# Altium PCB EASY-EAI-Nano-TB V1.01.PCBDOC (part 1 of 7) (continued)
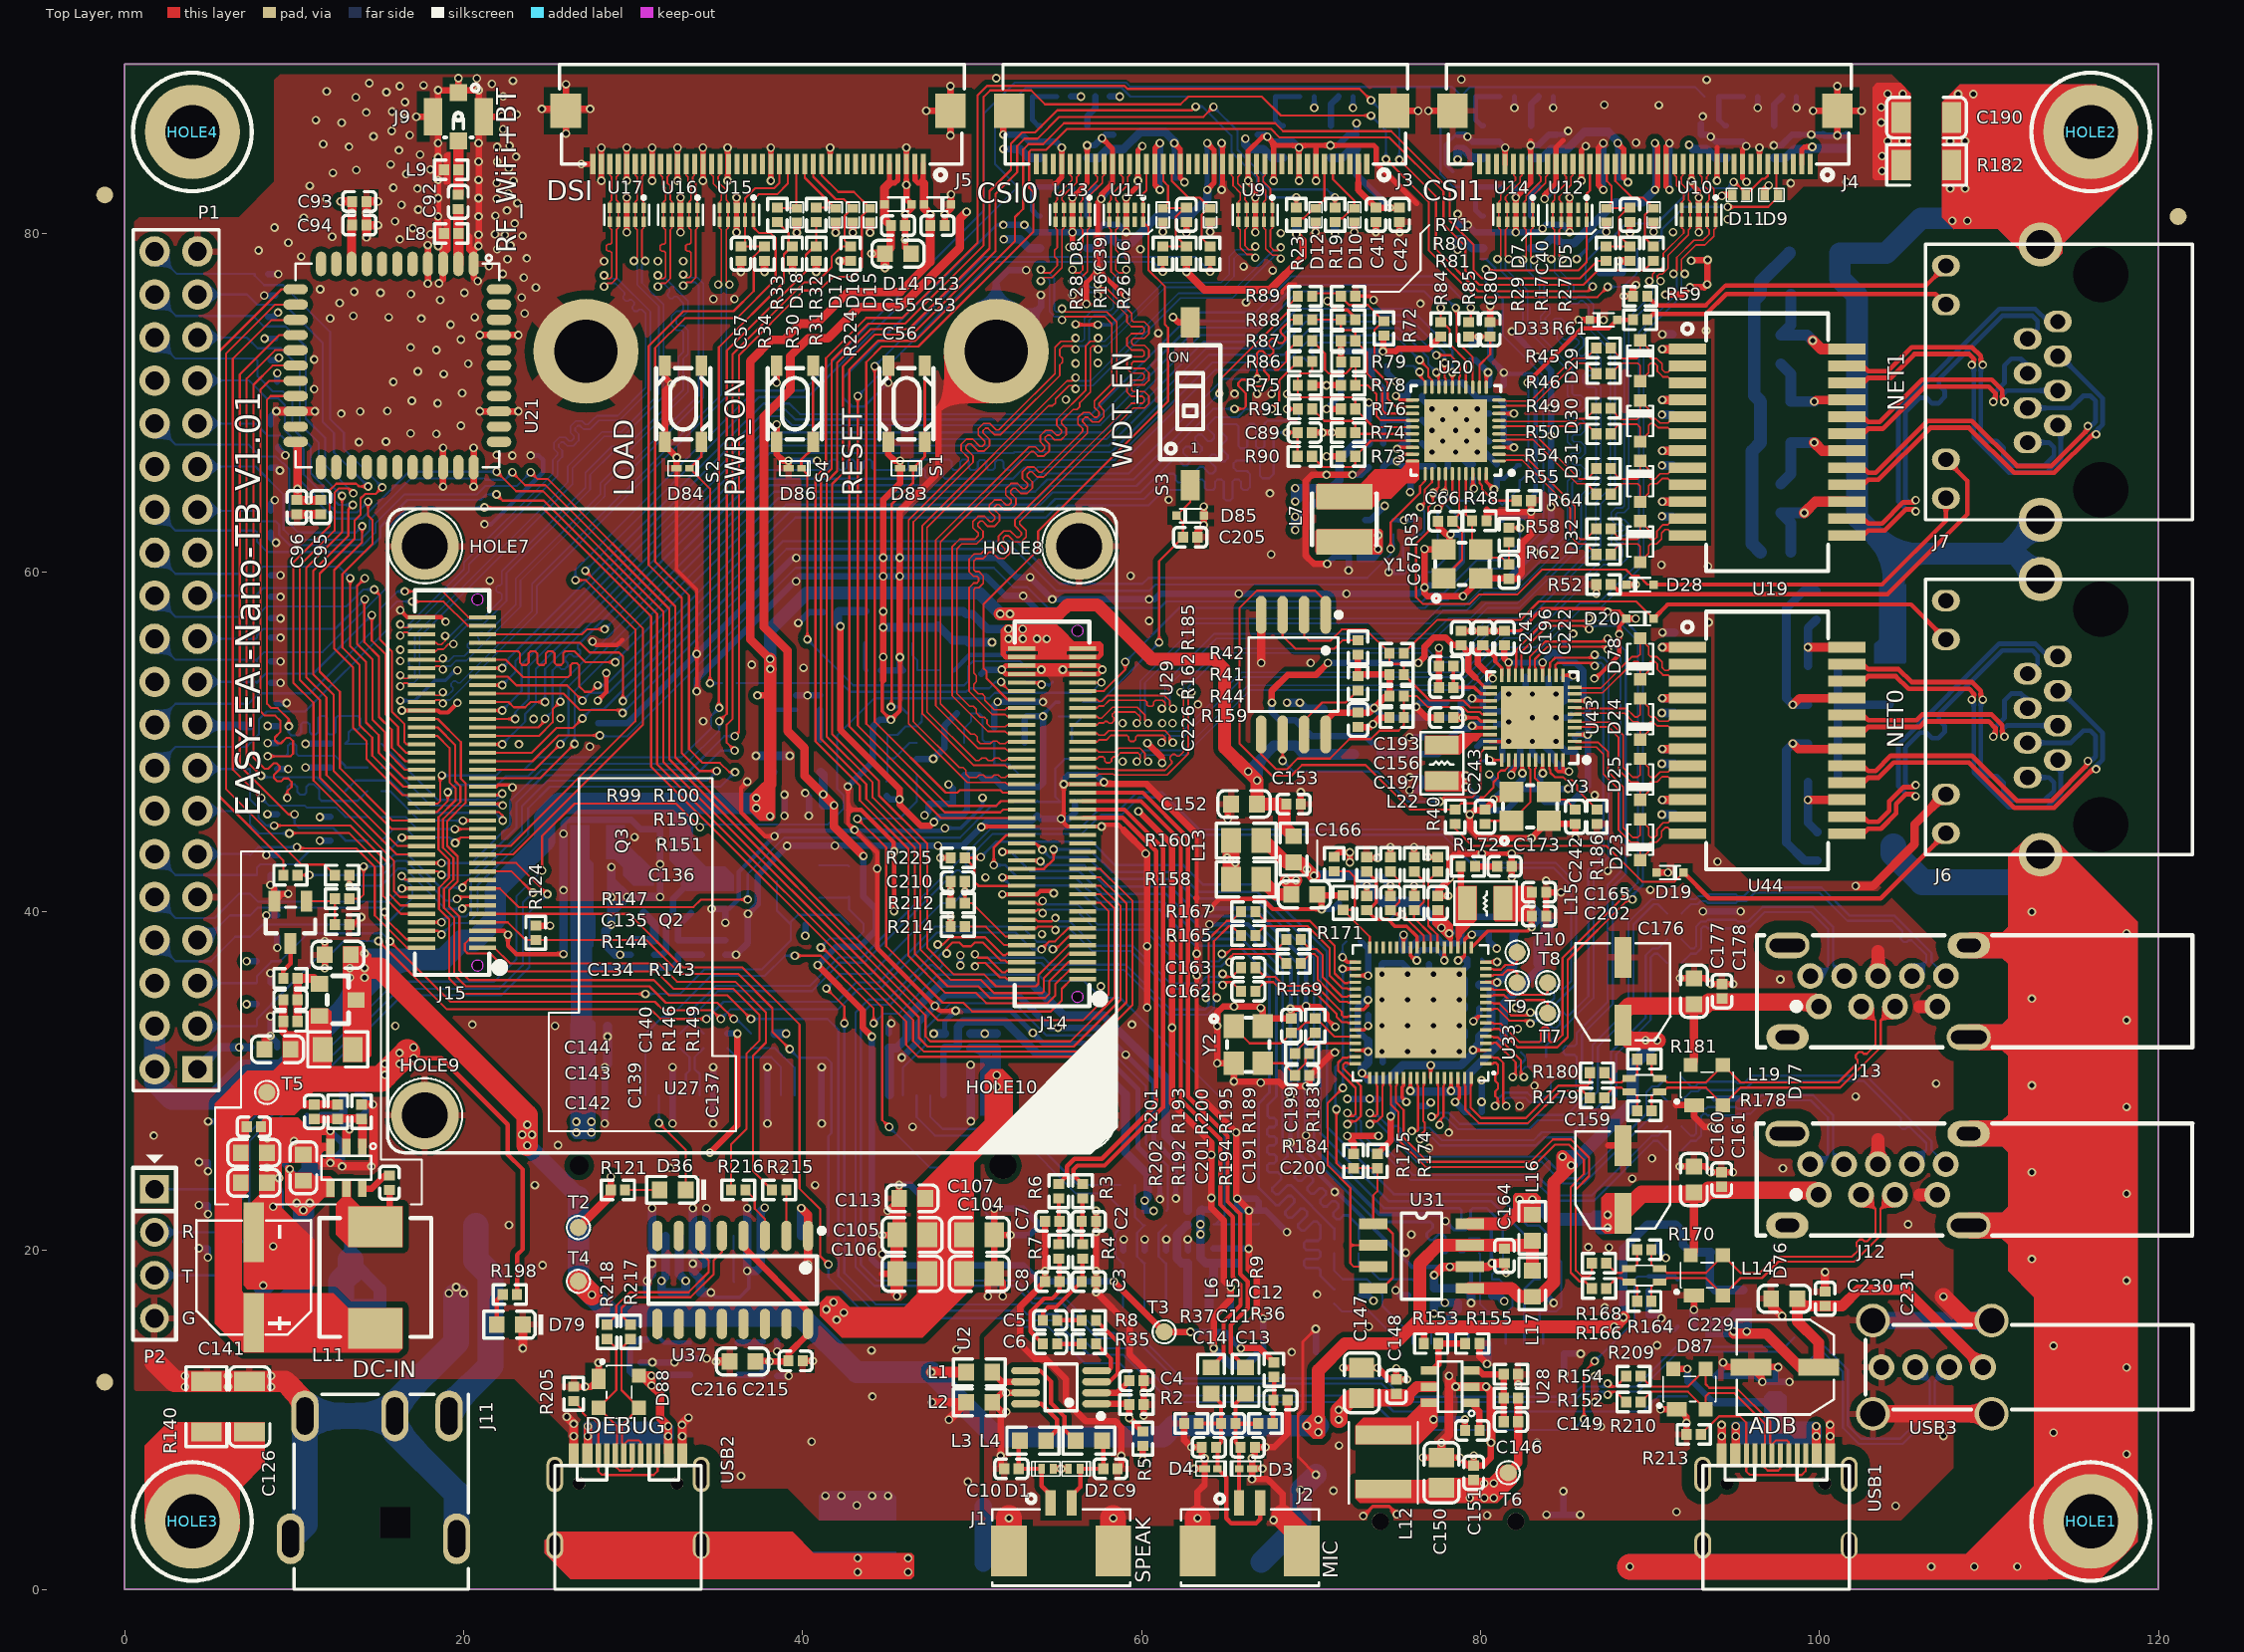
[diagram p0: Top Layer view]
## Classes and differential pairs (continued)
differential pair PHY1_MDI0/: +PHY1_MDI0/+ -PHY1_MDI0/-
differential pair PHY1_MDI3: +PHY1_MDI3+ -PHY1_MDI3-
differential pair PHY1_MDI2: +PHY1_MDI2+ -PHY1_MDI2-
differential pair PHY1_MDI1: +PHY1_MDI1+ -PHY1_MDI1-
differential pair PHY1_MDI0: +PHY1_MDI0+ -PHY1_MDI0-
differential pair PHY1_MD3: +PHY1_MD3+ -PHY1_MD3-
differential pair PHY1_MD2: +PHY1_MD2+ -PHY1_MD2-
differential pair PHY1_MD1: +PHY1_MD1+ -PHY1_MD1-
differential pair PHY1_MD0: +PHY1_MD0+ -PHY1_MD0-
differential pair TX: +TX_P -TX_N
differential pair RX: +RX_P -RX_N
differential pair MIPI_DSI_TX0_D3: +MIPI_DSI_TX0_D3_P -MIPI_DSI_TX0_D3_N
differential pair MIPI_DSI_TX0_D2: +MIPI_DSI_TX0_D2_P -MIPI_DSI_TX0_D2_N
differential pair MIPI_DSI_TX0_D1: +MIPI_DSI_TX0_D1_P -MIPI_DSI_TX0_D1_N
differential pair MIPI_DSI_TX0_D0: +MIPI_DSI_TX0_D0_P -MIPI_DSI_TX0_D0_N
differential pair MIPI_DSI_TX0_CLK: +MIPI_DSI_TX0_CLK_P -MIPI_DSI_TX0_CLK_N
differential pair CH340: +CH340_P -CH340_N
differential pair HUB_D1: +HUB_D1_P -HUB_D1_N
differential pair HUB_D2: +HUB_D2_P -HUB_D2_N
differential pair HUB_D3: +HUB_D3_P -HUB_D3_N
differential pair HUB_D4: +HUB_D4_P -HUB_D4_N
differential pair MIC0: +MIC0_P -MIC0_N
differential pair MIPI_CSI0_RX_CLK: +MIPI_CSI0_RX_CLK_P -MIPI_CSI0_RX_CLK_N
differential pair MIPI_CSI0_RX_D0: +MIPI_CSI0_RX_D0_P -MIPI_CSI0_RX_D0_N
differential pair MIPI_CSI0_RX_D1: +MIPI_CSI0_RX_D1_P -MIPI_CSI0_RX_D1_N
differential pair MIPI_CSI0_RX_D2: +MIPI_CSI0_RX_D2_P -MIPI_CSI0_RX_D2_N
differential pair MIPI_CSI0_RX_D3: +MIPI_CSI0_RX_D3_P -MIPI_CSI0_RX_D3_N
differential pair MIPI_CSI1_RX_CLK: +MIPI_CSI1_RX_CLK_P -MIPI_CSI1_RX_CLK_N
differential pair MIPI_CSI1_RX_D0: +MIPI_CSI1_RX_D0_P -MIPI_CSI1_RX_D0_N
differential pair MIPI_CSI1_RX_D1: +MIPI_CSI1_RX_D1_P -MIPI_CSI1_RX_D1_N
differential pair MIPI_CSI1_RX_D2: +MIPI_CSI1_RX_D2_P -MIPI_CSI1_RX_D2_N
differential pair MIPI_CSI1_RX_D3: +MIPI_CSI1_RX_D3_P -MIPI_CSI1_RX_D3_N
differential pair OTG_D: +OTG_D_P -OTG_D_N
differential pair RX_D1: +RX_D1_P -RX_D1_N
differential pair RX_D2: +RX_D2_P -RX_D2_N
differential pair RX_D3: +RX_D3_P -RX_D3_N
differential pair RX_D4: +RX_D4_P -RX_D4_N
differential pair TX_D1: +TX_D1_P -TX_D1_N
differential pair TX_D2: +TX_D2_P -TX_D2_N
differential pair TX_D3: +TX_D3_P -TX_D3_N
differential pair TX_D4: +TX_D4_P -TX_D4_N
differential pair USB0: +USB0_P -USB0_N
differential pair USB2_HOST1: +USB2_HOST1_P -USB2_HOST1_N
differential pair USB3_HOST1_SSRX: +USB3_HOST1_SSRX_P -USB3_HOST1_SSRX_N
differential pair USB3_HOST1_SSTX: +USB3_HOST1_SSTX_P -USB3_HOST1_SSTX_N
differential pair USB4/: +USB4/_P -USB4/_N
differential pair USB_1: +USB_1_P -USB_1_N
differential pair USB_2: +USB_2_P -USB_2_N
differential pair USB_OTG: +USB_OTG_P -USB_OTG_N
differential pair USB_RX1: +USB_RX1_P -USB_RX1_N
differential pair USB_RX2: +USB_RX2_P -USB_RX2_N
differential pair USB_TTL: +USB_TTL_P -USB_TTL_N
differential pair USB_TX1: +USB_TX1_P -USB_TX1_N
differential pair USB_TX2: +USB_TX2_P -USB_TX2_N
differential pair MDI0/: +MDI0/_P -MDI0/_N
differential pair MDI0: +MDI0_P -MDI0_N
differential pair MDI1/: +MDI1/_P -MDI1/_N
differential pair MDI1: +MDI1_P -MDI1_N
differential pair MDI2/: +MDI2/_P -MDI2/_N
differential pair MDI2: +MDI2_P -MDI2_N
differential pair MDI3/: +MDI3/_P -MDI3/_N
differential pair MDI3: +MDI3_P -MDI3_N
differential pair SSRX: +SSRX_P -SSRX_N

## Components (designator, comment, footprint, x,y, rotation, side; value= is the part's Value field where it differs from the comment)
C1 "CC1206KKX7RDBB102" 1206_C 44.631,3.157 r90 bottom
C2 "0402B222K500NT" 0402_C 56.896,21.717 r0 top
C3 "0402B222K500NT" 0402_C 56.896,18.161 r0 top
C4 "CL05A105KA5NQNC" 0402_C 59.7,12.301 r180 top
C5 "CL05B104KO5NNNC" 0402_C 54.61,15.875 r0 top
C6 "CL05B104KO5NNNC" 0402_C 54.61,14.478 r0 top
C7 "0402B222K500NT" 0402_C 54.737,21.717 r0 top
C8 "0402B222K500NT" 0402_C 54.737,18.161 r0 top
C9 "CL05C681JB5NNNC" 0402_C 58.166,7.112 r180 top
C10 "CL05C681JB5NNNC" 0402_C 52.324,7.112 r0 top
C11 "CC0402KRX7R9BB101" 0402_C 65.123,9.784 r180 top
C12 "CL05A106MQ5NUNC" 0402_C 68.199,11.176 r180 top
C13 "GCM1555G1H221JA16D" 0402_C 66.266,8.387 r180 top
C14 "GCM1555G1H221JA16D" 0402_C 63.98,8.387 r0 top
C15 "CL05A105KA5NQNC" 0402_C 66.843,85.421 r270 bottom
C16 "CL05A475MP5NRNC" 0402_C 72.685,85.421 r270 bottom
C17 "CL05A105KA5NQNC" 0402_C 93.005,85.421 r270 bottom
C18 "CL05A475MP5NRNC" 0402_C 98.847,85.421 r270 bottom
C19 "CL05B104KO5NNNC" 0402_C 72.05,88.088 r180 bottom
C20 "CL05B104KO5NNNC" 0402_C 98.212,88.088 r180 bottom
C21 "CL05B104KO5NNNC" 0402_C 69.764,88.088 r180 bottom
C22 "CL05B104KO5NNNC" 0402_C 95.926,88.088 r180 bottom
C23 "CL05A105KA5NQNC" 0402_C 52.492,80.087 r270 bottom
C24 "CL05A475MP5NRNC" 0402_C 58.334,80.087 r270 bottom
C25 "CL05A105KA5NQNC" 0402_C 78.654,80.087 r270 bottom
C26 "CL05A475MP5NRNC" 0402_C 84.496,80.087 r270 bottom
C27 "CL05B104KO5NNNC" 0402_C 57.699,82.754 r180 bottom
C28 "CL05B104KO5NNNC" 0402_C 83.861,82.754 r180 bottom
C29 "CL05B104KO5NNNC" 0402_C 55.413,82.754 r180 bottom
C30 "CL05B104KO5NNNC" 0402_C 81.575,82.754 r180 bottom
C31 "CL05A105KA5NQNC" 0402_C 52.492,85.421 r270 bottom
C32 "CL05A475MP5NRNC" 0402_C 58.334,85.421 r270 bottom
C33 "CL05A105KA5NQNC" 0402_C 78.654,85.421 r270 bottom
C34 "CL05A475MP5NRNC" 0402_C 84.496,85.421 r270 bottom
C35 "CL05B104KO5NNNC" 0402_C 57.699,88.088 r180 bottom
C36 "CL05B104KO5NNNC" 0402_C 83.861,88.088 r180 bottom
C37 "CL05B104KO5NNNC" 0402_C 55.413,88.088 r180 bottom
C38 "CL05B104KO5NNNC" 0402_C 81.575,88.088 r180 bottom
C39 "CL05B104KO5NNNC" 0402_C 62.652,81.103 r90 top
C40 "CL05B104KO5NNNC" 0402_C 88.814,81.103 r90 top
C41 "CL05A106MQ5NUNC" 0402_C 73.828,81.103 r90 top
C42 "CL05B104KO5NNNC" 0402_C 75.225,81.103 r90 top
C43 "CL05A106MQ5NUNC" 0402_C 101.61,85.453 r270 bottom
C44 "CL05B104KO5NNNC" 0402_C 100.213,85.453 r270 bottom
C45 "CL05A106MQ5NUNC" 0402_C 64.303,83.262 r180 bottom
C46 "CL05B104KO5NNNC" 0402_C 64.303,84.659 r180 bottom
C47 "CL05A106MQ5NUNC" 0402_C 90.719,83.262 r180 bottom
C48 "CL05B104KO5NNNC" 0402_C 90.719,84.659 r180 bottom
C49 "CL05A106MQ5NUNC" 0402_C 61.509,83.262 r0 bottom
C50 "CL05B104KO5NNNC" 0402_C 61.509,84.659 r0 bottom
C51 "CL05A106MQ5NUNC" 0402_C 87.671,83.262 r0 bottom
C52 "CL05B104KO5NNNC" 0402_C 87.671,84.659 r0 bottom
C53 "CL05B104KO5NNNC" 0402_C 47.965,80.468 r180 top
C54 "CL10A106KP8NNNC" 0603_C 46.746,80.373 r0 bottom
C55 "CL05B104KO5NNNC" 0402_C 45.634,80.468 r180 top
C56 "CL10A106KP8NNNC" 0603_C 45.634,78.817 r180 top
C57 "CL05B104KO5NNNC" 0402_C 36.363,78.817 r90 top
C58 "CL10A106KP8NNNC" 0603_C 49.657,56.769 r90 bottom
C59 "CL05B104KO5NNNC" 0402_C 41.656,57.658 r0 bottom
C60 "CL05B104KO5NNNC" 0402_C 48.006,57.277 r90 bottom
C61 "CL05B104KO5NNNC" 0402_C 46.355,54.229 r0 bottom
C62 "CL05B104KO5NNNC" 0402_C 44.196,54.229 r180 bottom
C63 "CL05B104KO5NNNC" 0402_C 84.455,30.226 r45 bottom
C64 "CL05B104KO5NNNC" 0402_C 85.344,29.337 r45 bottom
C65 "CL05B104KO5NNNC" 0402_C 91.323,73.634 r270 bottom
C66 "0402CG200J500NT" 0402_C 77.921,63.031 r0 top
C67 "0402CG200J500NT" 0402_C 81.671,60.053 r90 top
C68 "CL05B104KO5NNNC" 0402_C 91.323,69.736 r90 bottom
C69 "CL05B104KO5NNNC" 0402_C 91.323,66.736 r90 bottom
C70 "NC/3.0pF 50V" 0402_C 76.708,60.452 r270 bottom
C71 "CL05B104KO5NNNC" 0402_C 91.323,63.736 r90 bottom
C72 "CC1206KKX7RDBB102" 1206_C 99.705,78.849 r0 bottom
C73 "CL05A475MP5NRNC" 0402_C 73.841,69.016 r0 bottom
C74 "CL05A105KA5NQNC" 0402_C 76.127,69.016 r180 bottom
C75 "CL05B104KO5NNNC" 0402_C 76.127,67.619 r180 bottom
C76 "NC/3.0pF 50V" 0402_C 74.933,72.191 r180 bottom
C77 "CL05A475MP5NRNC" 0402_C 73.841,66.222 r0 bottom
C78 "CL05B104KO5NNNC" 0402_C 80.953,65.968 r270 bottom
C79 "CL05B104KO5NNNC" 0402_C 80.953,71.048 r180 bottom
C80 "CL05B104KO5NNNC" 0402_C 80.572,74.35 r270 top
C81 "CL05A475MP5NRNC" 0402_C 72.644,60.96 r0 bottom
C82 "CL05B104KO5NNNC" 0402_C 73.206,62.666 r270 bottom
C83 "CL05B104KO5NNNC" 0402_C 76.127,70.413 r180 bottom
C84 "CL05A475MP5NRNC" 0402_C 77.651,66.273 r180 bottom
C85 "CL05B104KO5NNNC" 0402_C 75.873,65.841 r90 bottom
C86 "CL05B104KO5NNNC" 0402_C 80.953,69.397 r0 bottom
C87 "CL05B104KO5NNNC" 0402_C 80.953,67.746 r0 bottom
C88 "CL05B104KO5NNNC" 0402_C 79.556,65.968 r270 bottom
C89 "NC/3.0pF 50V" 0402_C 69.629,68.263 r180 top
C90 "CL05A106MQ5NUNC" 0402_C 78.655,17.338 r270 bottom
C91 "CL05B104KO5NNNC" 0402_C 77.258,17.338 r270 bottom
C92 "GCM1555G1H221JA16D" 0402_C 19.695,81.872 r90 top
C93 "CL05A106MQ5NUNC" 0402_C 13.853,81.897 r180 top
C94 "CL05B104KO5NNNC" 0402_C 13.853,80.5 r180 top
C95 "CL05A475MP5NRNC" 0402_C 11.567,63.861 r90 top
C96 "CL05B104KO5NNNC" 0402_C 10.17,63.861 r90 top
C97 "CL05B104KO5NNNC" 0402_C 45.095,32.367 r270 bottom
C98 "CL05B104KO5NNNC" 0402_C 48.397,32.367 r270 bottom
C99 "CL05A106MQ5NUNC" 0402_C 65.651,19.675 r270 bottom
C100 "CL05B104KO5NNNC" 0402_C 64.254,19.675 r270 bottom
C101 "CL10A106KP8NNNC" 0603_C 35.449,40.917 r90 bottom
C102 "CL05A105KA5NQNC" 0402_C 32.02,44.854 r0 bottom
C103 "CL05B104KO5NNNC" 0402_C 32.02,43.457 r0 bottom
C104 "C2012X5R1A476MTJ00E" 0805_C 50.428,18.624 r180 top
C105 "C2012X5R1A476MTJ00E" 0805_C 46.466,20.91 r0 top
C106 "C2012X5R1A476MTJ00E" 0805_C 46.466,18.624 r0 top
C107 "C2012X5R1A476MTJ00E" 0805_C 50.428,20.91 r180 top
C108 "CL10A226MP8NUNE" 0603_C 27.956,40.028 r180 bottom
C109 "CL10A226MP8NUNE" 0603_C 27.956,41.806 r180 bottom
C110 "CL05B104KO5NNNC" 0402_C 27.956,38.504 r180 bottom
C111 "NC/0402CG470J500NT" 0402_C 32.655,37.869 r270 bottom
C112 "CL05B104KO5NNNC" 0402_C 29.861,37.869 r90 bottom
C113 "CL10A226MP8NUNE" 0603_C 46.466,23.069 r0 top
C114 "CL05A106MQ5NUNC" 0402_C 51.445,32.367 r270 bottom
C115 "CL05A106MQ5NUNC" 0402_C 28.077,31.884 r180 bottom
C116 "CL05B104KO5NNNC" 0402_C 28.077,33.256 r180 bottom
C117 "CL05B104KO5NNNC" 0402_C 49.921,32.367 r270 bottom
C118 "CL05B104KO5NNNC" 0402_C 31.254,17.508 r0 bottom
C119 "CL05B104KO5NNNC" 0402_C 33.54,17.508 r180 bottom
C120 "CL05B103KB5NNNC" 0402_C 47,46.337 r180 bottom
C121 "GRM155R71H104KE14D" 0402_C 49.286,46.337 r180 bottom
C122 "CL05B103KB5NNNC" 0402_C 49.53,51.689 r0 bottom
C123 "GRM155R71H104KE14D" 0402_C 44.577,50.419 r180 bottom
C124 "GRM155R71H104KE14D" 0402_C 53.212,51.938 r270 bottom
C125 "CL05B103KB5NNNC" 0402_C 55.636,46.464 r180 bottom
C126 "CC1206KKX7RDBB102" 1206_C 7.376,10.777 r270 top
C127 "CC0603KRX7R9BB104" 0603_C 9.662,23.477 r0 bottom
C128 "GRM21BR61E226ME44L" 0805_C 9.662,19.032 r0 bottom
C129 "GRM21BR61E226ME44L" 0805_C 9.662,21.445 r0 bottom
C130 "CL05B103KB5NNNC" 0402_C 9.408,26.017 r270 bottom
C131 "CL05B104KO5NNNC" 0402_C 38.51,46.266 r180 bottom
C132 "CL05A475MP5NRNC" 0402_C 40.796,46.266 r0 bottom
C133 "NC/CL05B103KB5NNNC" 0402_C 41.021,52.324 r270 bottom
C134 "CL10A106KP8NNNC" 0603_C 9.027,31.859 r0 top
C135 "CL05B104KO5NNNC" 0402_C 9.789,34.78 r180 top
C136 "CL10A226MP8NUNE" 0603_C 12.583,37.447 r0 top
C137 "CL05B104KO5NNNC" 0402_C 15.631,23.985 r270 top
C138 "GRM21BR61E106KA73L" 0805_C 11.948,26.017 r180 bottom
C139 "CC0603KRX7R9BB104" 0603_C 10.551,24.874 r270 top
C140 "CC0402KRX7R9BB101" 0402_C 11.186,28.176 r90 top
C141 "RVT1E101M0607" SMD,D6.3xL7.7mm 7.63,18.397 r90 top
C142 "CL10A226MP8NUNE" 0603_C 7.63,23.985 r180 top
C143 "CL10A226MP8NUNE" 0603_C 7.63,25.763 r180 top
C144 "CL05B104KO5NNNC" 0402_C 7.63,27.287 r180 top
C145 "CL05B104KO5NNNC" 0402_C 13.345,27.922 r180 bottom
C146 "CL05B104KO5NNNC" 0402_C 79.512,9.38 r180 top
C147 "GRM21BR61E106KA73L" 0805_C 72.993,12.18 r270 top
C148 "CL05B104KO5NNNC" 0402_C 75.03,11.959 r270 top
C149 "CC0402KRX7R9BB101" 0402_C 81.798,9.888 r0 top
C150 "GRM21BR61E226ME44L" 0805_C 77.697,6.879 r270 top
C151 "CL05B104KO5NNNC" 0402_C 79.602,6.879 r270 top
C152 "CL10A226MP8NUNE" 0603_C 66.05,46.337 r0 top
C153 "CL05B104KO5NNNC" 0402_C 68.971,46.337 r0 top
C154 "CL10A106KP8NNNC" 0603_C 71.638,41.257 r90 bottom
C155 "CL05B104KO5NNNC" 0402_C 73.645,42.146 r0 bottom
C156 "CL05A105KA5NQNC" 0402_C 77.978,53.213 r0 top
C157 "CL05B104KO5NNNC" 0402_C 91.44,27.305 r0 bottom
C158 "CL05B104KO5NNNC" 0402_C 91.44,25.908 r0 bottom
C159 "RVT1A101M0505" SMD,D5xL5.4mm 88.393,22.183 r90 top locked
C160 "CL10A106KP8NNNC" 0603_C 92.584,24.183 r270 top
C161 "CL05B104KO5NNNC" 0402_C 94.235,24.183 r270 top
C162 "CL05B104KO5NNNC" 0402_C 66.304,35.288 r180 top
C163 "CL05B104KO5NNNC" 0402_C 66.304,36.685 r180 top
C164 "CL05B104KO5NNNC" 0402_C 81.417,19.667 r90 top
C165 "CL05A106MQ5NUNC" 0402_C 83.449,41.13 r180 top
C166 "CL10A106KP8NNNC" 0603_C 69.606,41.003 r0 top
C167 "CL05B104KO5NNNC" 0402_C 76.972,37.32 r270 bottom
C168 "CL05B104KO5NNNC" 0402_C 73.797,33.891 r0 bottom
C169 "CL05B104KO5NNNC" 0402_C 79.639,28.176 r0 bottom
C170 "CL05B104KO5NNNC" 0402_C 74.432,28.938 r180 bottom
C171 "CL05B104KO5NNNC" 0402_C 73.797,36.939 r0 bottom
C172 "CL05B104KO5NNNC" 0402_C 79.512,34.272 r180 bottom
C173 "0402B222K500NT" 0402_C 81.417,42.654 r180 top
C174 "CL05B104KO5NNNC" 0402_C 91.44,38.354 r0 bottom
C175 "CL05B104KO5NNNC" 0402_C 91.44,36.957 r0 bottom
C176 "RVT1A101M0505" SMD,D5xL5.4mm 88.402,33.29 r90 top locked
C177 "CL10A106KP8NNNC" 0603_C 92.593,35.29 r270 top
C178 "CL05B104KO5NNNC" 0402_C 94.244,35.29 r270 top
C179 "CL05B104KO5NNNC" 0402_C 79.639,29.446 r0 bottom
C180 "CL05B104KO5NNNC" 0402_C 75.448,37.32 r270 bottom
C181 "CL05B104KO5NNNC" 0402_C 76.464,28.938 r270 bottom
C182 "CL10A106KP8NNNC" 0603_C 83.902,40.308 r90 bottom
C183 "CL10A106KP8NNNC" 0603_C 81.265,38.717 r180 bottom
C184 "CL05B104KO5NNNC" 0402_C 73.797,32.367 r0 bottom
C185 "CL05B104KO5NNNC" 0402_C 73.797,35.415 r0 bottom
C186 "CL05B104KO5NNNC" 0402_C 73.797,31.097 r0 bottom
C187 "CL05B104KO5NNNC" 0402_C 79.512,35.669 r180 bottom
C188 "CL05B104KO5NNNC" 0402_C 79.512,32.621 r180 bottom
C189 "CL05B104KO5NNNC" 0402_C 77.861,31.351 r90 bottom
C190 "CC1206KKX7RDBB102" 1206_C 106.309,86.85 r0 top
C191 "CL05B104KO5NNNC" 0402_C 77.48,40.495 r90 top
C192 "CL10A226MP8NUNE" 0603_C 77.353,40.495 r270 bottom
C193 "CL05B104KO5NNNC" 0402_C 77.978,54.483 r0 top
C194 "CL05B104KO5NNNC" 0402_C 82.677,32.004 r45 bottom
C195 "CL05B104KO5NNNC" 0402_C 83.566,31.115 r45 bottom
C196 "CL05B104KO5NNNC" 0402_C 80.137,56.134 r270 top
C197 "CL05B104KO5NNNC" 0402_C 77.978,51.435 r0 top
C198 "CL05B104KO5NNNC" 0402_C 83.947,48.895 r0 bottom
C199 "0402CG200J500NT" 0402_C 68.844,33.256 r270 top
C200 "0402CG200J500NT" 0402_C 69.479,30.335 r180 top
C201 "CL05A105KA5NQNC" 0402_C 74.686,40.495 r270 top
C202 "CL05B104KO5NNNC" 0402_C 83.449,39.733 r180 top
C203 "0402B102K500NT" 0402_C 44.577,49.022 r0 bottom
C204 "0402B102K500NT" 0402_C 50.546,53.594 r270 bottom
C205 "0402B102K500NT" 0402_C 62.875,62.085 r180 top
C206 "0402B102K500NT" 0402_C 54.747,53.957 r270 bottom
C207 "CL10A226MP8NUNE" 0603_C 95.631,11.811 r270 bottom
C208 "CL10A226MP8NUNE" 0603_C 93.853,11.811 r270 bottom
C209 "CL05B104KO5NNNC" 0402_C 97.409,11.811 r270 bottom
C210 "CL05B104KO5NNNC" 0402_C 49.159,41.765 r0 top
C211 "CL05A106MQ5NUNC" 0402_C 30.458,12.97 r270 bottom
C212 "CL05B104KO5NNNC" 0402_C 31.855,12.97 r270 bottom
C213 "CL05A105KA5NQNC" 0402_C 38.078,12.589 r180 bottom
C214 "NC/CL05B103KB5NNNC" 0402_C 38.078,14.621 r180 bottom
C215 "CL05B104KO5NNNC" 0402_C 39.593,13.475 r180 top
C216 "CL10A106KP8NNNC" 0603_C 36.459,13.444 r0 top
C217 "CL05A105KA5NQNC" 0402_C 80.569,52.578 r180 bottom
C218 "CL05A105KA5NQNC" 0402_C 81.712,48.895 r0 bottom
C219 "CL05A105KA5NQNC" 0402_C 78.41,52.324 r0 bottom
C220 "CL05A105KA5NQNC" 0402_C 84.43,53.797 r0 bottom
C221 "CL05B104KO5NNNC" 0402_C 82.652,54.254 r90 bottom
C222 "CL05B104KO5NNNC" 0402_C 81.407,56.134 r270 top
C223 "CL05B104KO5NNNC" 0402_C 84.658,55.575 r225 bottom
C224 "CL05A105KA5NQNC" 0402_C 83.947,47.244 r180 bottom
C225 "CL10A226MP8NUNE" 0603_C 77.521,47.625 r0 bottom
C226 "CL05B104KO5NNNC" 0402_C 72.771,51.308 r270 top
C227 "CL05B104KO5NNNC" 0402_C 93.599,20.32 r270 bottom
C228 "CL10A226MP8NUNE" 0603_C 91.186,20.32 r180 bottom
C229 "RVT1A101M0505" SMD,D5xL5.4mm 99.949,13.106 r180 top locked
C230 "CL10A226MP8NUNE" 0603_C 97.917,17.145 r0 top
C231 "CL05B104KO5NNNC" 0402_C 100.33,17.145 r270 top
C239 "CL10A226MP8NUNE" 0603_C 77.47,50.292 r0 bottom
C240 "CL05B104KO5NNNC" 0402_C 80.518,51.054 r180 bottom
C241 "CL05B104KO5NNNC" 0402_C 78.867,56.134 r270 top
C242 "0402CG200J500NT" 0402_C 85.598,45.593 r270 top
C243 "0402CG200J500NT" 0402_C 80.264,45.593 r270 top
C244 "CL05B104KO5NNNC" 0402_C 81.788,47.244 r0 bottom
C245 "CL05B104KO5NNNC" 0402_C 85.573,49.86 r90 bottom
C246 "CL05B104KO5NNNC" 0402_C 85.776,51.613 r0 bottom
C258 "CL05B104KO5NNNC" 0402_C 91.45,56.038 r270 bottom
C259 "CL05B104KO5NNNC" 0402_C 91.45,52.14 r90 bottom
C260 "CL05B104KO5NNNC" 0402_C 91.45,49.14 r90 bottom
C261 "CL05B104KO5NNNC" 0402_C 91.45,46.14 r90 bottom
C262 "CC1206KKX7RDBB102" 1206_C 104.14,53.721 r270 bottom
D1 "ESD5341N-2/TR" DFN1006-2L 54.102,7.112 r0 top
D2 "ESD5341N-2/TR" DFN1006-2L 56.388,7.112 r180 top
D3 "ESD5471X-2/TR" FBP-02C 65.758,7.117 r0 top
D4 "ESD5471X-2/TR" FBP-02C 64.488,7.117 r180 top
D5 "PT2C051U" DFN1006 90.211,81.103 r90 top
D6 "PT2C051U" DFN1006 64.049,81.103 r90 top
D7 "PT2C051U" DFN1006 87.417,81.103 r90 top
D8 "PT2C051U" DFN1006 61.255,81.103 r90 top
D9 "PT2C051U" DFN1006 97.165,82.278 r0 top
D10 "PT2C051U" DFN1006 72.558,81.103 r90 top
D11 "PT2C051U" DFN1006 95.26,82.278 r0 top
D12 "PT2C051U" DFN1006 70.272,81.103 r90 top
D13 "PT5C051V" SOD-523 47.965,81.738 r0 top
D14 "PT5C051V" SOD-523 45.634,81.738 r0 top
D15 "PT2C051U" DFN1006 43.983,81.103 r270 top
D16 "PT2C051U" DFN1006 42.967,81.103 r270 top
D17 "PT2C051U" DFN1006 41.951,81.103 r270 top
D18 "PT2C051U" DFN1006 39.665,81.103 r270 top
D19 "BV-D505ZC" SOD-523 91.186,42.291 r0 top
D20 "BV-D505ZC" SOD-523 89.408,57.277 r0 top
D21 "BS4200N-2C" SMB-T_L5.4-W3.3-BI 101.803,58.166 r180 bottom
D22 "BS4200N-2C" SMB-T_L5.4-W3.3-BI 101.854,43.942 r180 bottom
D23 "BV03C-H" SOD-323 89.418,44.235 r270 top
D24 "BV03C-H" SOD-323 89.418,51.347 r270 top
D25 "BV03C-H" SOD-323 89.418,47.791 r270 top
D26 "BS4200N-2C" SMB-T_L5.4-W3.3-BI 99.705,73.261 r180 bottom
D27 "BS4200N-2C" SMB-T_L5.4-W3.3-BI 99.705,64.473 r180 bottom
D28 "BV-D505ZC" SOD-523 89.418,59.291 r180 top
D29 "BV03C-H" SOD-323 89.418,72.499 r90 top
D30 "BV03C-H" SOD-323 89.418,68.943 r90 top
D31 "BV03C-H" SOD-323 89.418,65.387 r90 top
D32 "BV03C-H" SOD-323 89.418,61.831 r90 top
D33 "BV-D505ZC" SOD-523 87.259,74.912 r180 top
D34 "BV-SRV05-4" SOT-23-6 82.084,17.338 r180 bottom
D35 "BV-SRV05-4" SOT-23-6 74.337,17.338 r180 bottom
D36 "红色 0603" 0603_LED_S1 32.341,23.569 r180 top
D37 "ESD5471X-2/TR" FBP-02C 62.73,19.243 r90 bottom
D38 "ESD5471X-2/TR" FBP-02C 61.46,19.243 r90 bottom
D39 "ESD5471X-2/TR" FBP-02C 60.19,19.243 r90 bottom
D40 "ESD5471X-2/TR" FBP-02C 58.92,19.243 r90 bottom
D41 "ESD5471X-2/TR" FBP-02C 66.921,21.58 r90 bottom
D42 "肖特基二极管" DO_214AC 10.678,15.984 r180 bottom
D43 "BV-SMBT-20CA" SMB-T_L5.4-W3.3-BI 17.058,15.984 r180 bottom
D44 "PT5C051V" SOD-523 8.773,30.208 r90 bottom
D45 "PT5C051V" SOD-523 8.21,50.947 r180 bottom
D46 "PT5C051V" SOD-523 7.63,30.208 r90 bottom
D47 "PT5C051V" SOD-523 8.21,31.986 r180 bottom
D48 "PT2C051U" DFN1006 8.21,33.256 r180 bottom
D49 "PT2C051U" DFN1006 8.21,35.796 r180 bottom
D50 "PT5C051V" SOD-523 8.21,39.771 r180 bottom
D51 "PT5C051V" SOD-523 8.21,38.501 r180 bottom
D52 "PT5C051V" SOD-523 8.21,41.041 r180 bottom
D53 "PT5C051V" SOD-523 8.21,43.327 r180 bottom
D54 "PT2C051U" DFN1006 8.21,42.146 r0 bottom
D55 "PT5C051V" SOD-523 8.21,45.74 r180 bottom
D56 "PT5C051V" SOD-523 8.21,48.407 r180 bottom
D57 "PT5C051V" SOD-523 8.21,49.93 r180 bottom
D58 "PT5C051V" SOD-523 8.166,52.298 r180 bottom
D59 "PT2C051U" DFN1006 8.21,53.487 r180 bottom
D60 "PT2C051U" DFN1006 8.21,56.154 r180 bottom
D61 "PT2C051U" DFN1006 8.21,54.757 r0 bottom
D62 "PT2C051U" DFN1006 8.21,58.567 r180 bottom
D63 "PT2C051U" DFN1006 8.21,57.297 r0 bottom
D64 "PT2C051U" DFN1006 8.21,59.837 r0 bottom
D65 "PT2C051U" DFN1006 8.21,63.647 r180 bottom
D66 "PT2C051U" DFN1006 8.21,62.377 r0 bottom
D67 "PT2C051U" DFN1006 8.21,66.187 r180 bottom
D68 "PT2C051U" DFN1006 8.21,68.727 r180 bottom
D69 "PT5C051V" SOD-523 8.248,67.419 r180 bottom
D70 "PT5C051V" SOD-523 8.21,71.267 r180 bottom
D71 "PT5C051V" SOD-523 8.083,73.807 r180 bottom
D72 "PT2C051U" DFN1006 8.21,72.537 r0 bottom
D73 "PT5C051V" SOD-523 8.083,76.347 r180 bottom
D74 "PT2C051U" DFN1006 8.083,75.077 r0 bottom
D75 "PT2C051U" DFN1006 8.083,77.617 r0 bottom
D76 "BV-SR05" SOT-143 93.346,18.521 r0 top
D77 "BV-SR05" SOT-143 93.355,29.755 r0 top
D78 "BV03C-H" SOD-323 89.418,54.903 r270 top
D79 "红色 0603" 0603_LED_S1 22.733,15.621 r180 top
D81 "PT5C051V" SOD-523 4.928,21.87 r270 bottom
D82 "PT5C051V" SOD-523 4.921,19.323 r270 bottom
D83 "ESD5471X-2/TR" FBP-02C 46.517,66.149 r180 top
D84 "ESD5471X-2/TR" FBP-02C 33.342,66.149 r180 top
D85 "PT5C051V" SOD-523 62.875,63.355 r180 top
D86 "ESD5471X-2/TR" FBP-02C 39.93,66.149 r180 top
D87 "BV-SR05" SOT-143 92.329,11.811 r0 top
D88 "BV-SR05" SOT-143 29.164,11.659 r270 top
D89 "PT5C051V" SOD-523 4.928,24.41 r270 bottom
F1 "JK-SMD200L-24V" 2920 17.028,21.445 r180 bottom
HOLE1 "HOLE1" "HOLE-3.2 - Screw" 116,4 r180 top locked
HOLE2 "HOLE1" "HOLE-3.2 - Screw" 116,86 r180 top locked
HOLE3 "HOLE1" "HOLE-3.2 - Screw" 4,4 r180 top locked
HOLE4 "HOLE1" "HOLE-3.2 - Screw" 4,86 r180 top locked
HOLE5 "SMTSO2060CTJ" "Mou Hole-373D600H-SMD" 27.229,73.053 r270 bottom
HOLE6 "SMTSO2060CTJ" "Mou Hole-373D600H-SMD" 51.429,73.053 r270 bottom
HOLE7 "TH-1.6-3.0-M2" TH-1.6-3.0-M2 17.724,61.56 r90 top locked
HOLE8 "TH-1.6-3.0-M2" TH-1.6-3.0-M2 56.324,61.56 r90 top locked
HOLE9 "TH-1.6-3.0-M2" TH-1.6-3.0-M2 17.724,27.96 r90 top locked
HOLE10 "TH-1.6-3.0-M2" TH-1.6-3.0-M2 56.324,27.96 r90 top locked
J1 "AFC12-S02CCA-00" 1.25-2T_SMD_L 54.63,5.085 r0 top locked
J2 "AFC12-S02CCA-00" 1.25-2T_SMD_L 65.758,5.085 r0 top locked
J3 "AFC01-S40FCA-00" FFC0.5-40P 63.541,85.675 r180 top locked
J4 "AFC01-S40FCA-00" FFC0.5-40P 89.703,85.675 r180 top locked
J5 "AFC01-S40FCA-00" FFC0.5-40P 37.379,85.675 r180 top locked
J6 "R-RJ45R08P-C000" RJ45/LED-1575X1626X1310 112.03,51.481 r90 top locked
J7 "R-RJ45R08P-C000" RJ45/LED-1575X1626X1310 112.03,71.241 r90 top locked
J8 "TF-01A" TF 85.428,13.865 r180 bottom locked
J9 "KH-IPEX-K501-29" ANT-SMD_KH-IPEX-K501-29 19.695,86.901 r180 top locked
J10 "91304-80-052R2" MEDC52-32F-PCIE-LOCK-L 39.329,46.953 r180 bottom locked
J11 "DC-044A-20A" DC-044A-20A 19.146,10.229 r90 top locked
J12 "U231-091N-4BLCC14-S5" USB3.0-A-TH_U231-091N-4BLCC14-S-5 103.45,24.183 r90 top locked
J13 "U231-091N-4BLCC14-S5" USB3.0-A-TH_U231-091N-4BLCC14-S-5 103.459,35.29 r90 top
J14 "DF12NA(3.0)-80DP-0.5V(51)" CONN-SMD_80P-P0.50_DF12NA-3.0-80DP-0.5V 54.724,45.761 r90 top locked
J15 "DF12NA(3.0)-80DP-0.5V(51)" CONN-SMD_80P-P0.50_DF12NA-3.0-80DP-0.5V 19.324,47.609 r90 top locked
L1 "BLM18KG121TN1D" 0603_R 50.429,12.809 r0 top
L2 "BLM18KG121TN1D" 0603_R 50.429,11.031 r0 top
L3 "PZ1608U471-1R0TF" 0603_R 53.594,8.763 r180 top
L4 "PZ1608U471-1R0TF" 0603_R 56.896,8.763 r0 top
L5 "BLM18KG121TN1D" 0603_R 66.139,12.324 r270 top
L6 "BLM18KG121TN1D" 0603_R 64.107,12.324 r270 top
L7 "SWPA3015S2R2NT" IND-SMD_L3.0-W3.0 71.966,63.141 r90 top
L8 "CBW100505U601T" 0402_R 19.27,80.005 r180 top
L9 "CBW100505U601T" 0402_R 19.27,83.777 r180 top
L10 "WPN252010U1R0MT" 1008 28.972,44.092 r180 bottom
L11 "MWSA0603S-4R7MT" IND-SMD_L7.0-W6.6 14.793,18.397 r270 top
L12 "SMNR4030-3R3MT" IND-4.0*4.0*3.0 74.268,7.514 r270 top
L13 "MPZ1608S101ATAH0" 0603_R 68.971,43.67 r270 top
L14 "PCMF212L900MFR" SMD2012 89.663,18.521 r0 top
L15 "VLS252012HBX-2R2M-1" IND_252012 80.274,40.495 r0 top
L16 "MPZ1608S101ATAH0" 0603_R 83.058,21.336 r90 top
L17 "MPZ1608S101ATAH0" 0603_R 83.058,18.034 r270 top
L18 "MPZ1608S101ATAH0" 0603_R 82.728,36.921 r180 bottom
L19 "PCMF212L900MFR" SMD2012 89.672,29.755 r0 top
L20 "BLM18KG121TN1D" 0603_R 95.504,16.891 r270 bottom
L21 "BLM18KG121TN1D" 0603_R 73.279,49.276 r0 bottom
L22 "VLS252012HBX-2R2M-1" IND_252012 77.724,48.768 r270 top
P1 "B-2100S40P-B110" HDR-TH_40P-P2.54-V-M-R2-C20-S2.54 3.04,54.82 r90 top locked
P2 "XH-4A" HDR-TH_4P-P2.54-V-M 1.77,19.8 r270 top locked
Q1 "NC/SS8050 Y1" SOT-23(SOT-23-3) 39.741,41.765 r0 bottom
Q2 "AO3401" SOT-23 12.583,34.78 r0 top
Q3 "SS8050 Y1" SOT-23(SOT-23-3) 9.789,39.352 r90 top
R1 "1206W4F1204T5E" 1206_R 41.875,3.157 r90 bottom
R2 "0402WGF1003TCE" 0402_R 59.7,10.904 r180 top
R3 "0402WGF1001TCE" 0402_R 56.515,23.495 r270 top
R4 "0402WGF0000TCE" 0402_R 56.515,19.939 r270 top
R5 "0402WGF1001TCE" 0402_R 60.071,8.89 r270 top
R6 "0402WGF1001TCE" 0402_R 55.118,23.495 r270 top
R7 "0402WGF0000TCE" 0402_R 55.118,19.939 r270 top
R8 "NQ02WGF3002TCE" 0402_R 56.896,15.875 r0 top
R9 "0402WGF1000TCE" 0402_R 67.818,12.954 r270 top
R10 "0402WGF5102TCE" 0402_R 67.478,88.088 r0 bottom
R11 "0402WGF5102TCE" 0402_R 93.64,88.088 r0 bottom
R12 "0402WGF1002TCE" 0402_R 53.127,82.754 r0 bottom
R13 "0402WGF1002TCE" 0402_R 79.289,82.754 r0 bottom
R14 "0402WGF1001TCE" 0402_R 53.127,88.088 r0 bottom
R15 "0402WGF1001TCE" 0402_R 79.289,88.088 r0 bottom
R16 "0402WGF1002TCE" 0402_R 62.652,78.817 r270 top
R17 "0402WGF1002TCE" 0402_R 88.814,78.817 r270 top
R18 "AC0402FR-072K2L" 0402_R 71.415,81.103 r90 bottom
R19 "0402WGF220JTCE" 0402_R 71.415,81.103 r270 top
R20 "AC0402FR-072K2L" 0402_R 88.783,77.706 r0 bottom
R21 "0402WGF220JTCE" 0402_R 89.672,79.103 r0 bottom
R22 "AC0402FR-072K2L" 0402_R 69.129,81.103 r90 bottom
R23 "0402WGF220JTCE" 0402_R 69.129,81.103 r270 top
R24 "AC0402FR-072K2L" 0402_R 86.624,77.706 r180 bottom
R25 "0402WGF220JTCE" 0402_R 87.513,79.23 r0 bottom
R26 "0402WGF220JTCE" 0402_R 64.049,78.817 r90 top
R27 "0402WGF220JTCE" 0402_R 90.211,78.817 r90 top
R28 "0402WGF220JTCE" 0402_R 61.255,78.817 r90 top
R29 "0402WGF220JTCE" 0402_R 87.417,78.817 r90 top
R30 "AC0402FR-072K2L" 0402_R 39.411,78.817 r90 top
R31 "AC0402FR-072K2L" 0402_R 40.808,78.817 r90 top
R32 "0402WGF220JTCE" 0402_R 40.808,81.103 r90 top
R33 "0402WGF220JTCE" 0402_R 38.522,81.103 r90 top
R34 "0402WGF4701TCE" 0402_R 37.76,78.817 r270 top
R35 "NQ02WGF3002TCE" 0402_R 56.896,14.478 r0 top
R36 "AC0402FR-071K1L" 0402_R 67.31,9.779 r0 top
R37 "AC0402FR-071K1L" 0402_R 62.941,9.779 r0 top
R38 "0402WGF1002TCE" 0402_R 48.514,54.229 r180 bottom
R39 "0805W8F0000T5E" 0805_R 71.628,51.943 r0 bottom
R40 "0402WGF5100TCE" 0402_R 78.511,45.593 r270 top
R41 "0402WGF1002TCE" 0402_R 75.057,53.975 r180 top
R42 "0402WGF5100TCE" 0402_R 75.057,55.245 r0 top
R43 "0402WGF1002TCE" 0402_R 79.807,49.301 r270 bottom
R44 "0402WGF1002TCE" 0402_R 75.057,52.705 r180 top
R45 "0402WGF220KTCE" 0402_R 87.259,73.261 r0 top
R46 "0402WGF220KTCE" 0402_R 87.259,71.737 r0 top
R47 "RS-05K75R0FT" 0805_R 97.419,76.436 r180 bottom
R48 "NC/0402WGF0000TCE" 0402_R 79.937,63.047 r180 top
R49 "0402WGF220KTCE" 0402_R 87.259,69.705 r0 top
R50 "0402WGF220KTCE" 0402_R 87.259,68.181 r0 top
R51 "RS-05K75R0FT" 0805_R 97.419,70.086 r180 bottom
R52 "0402WGF5100TCE" 0402_R 87.259,59.291 r0 top
R53 "NC/0402WGF0000TCE" 0402_R 81.671,62.212 r90 top
R54 "0402WGF220KTCE" 0402_R 87.259,66.149 r0 top
R55 "0402WGF220KTCE" 0402_R 87.259,64.625 r0 top
R56 "RS-05K75R0FT" 0805_R 97.419,67.673 r180 bottom
R57 "0402WGF220JTCE" 0402_R 77.48,62.666 r90 bottom
R58 "0402WGF220KTCE" 0402_R 87.259,62.593 r0 top
R59 "0402WGF5100TCE" 0402_R 89.418,76.309 r0 top
R60 "NC/120Ω 0402" 0402_R 78.486,60.96 r180 bottom
R61 "0402WGF0000TCE" 0402_R 89.418,74.912 r0 top
R62 "0402WGF220KTCE" 0402_R 87.259,61.069 r0 top
R63 "RS-05K75R0FT" 0805_R 97.419,61.196 r180 bottom
R64 "AC0402FR-072K49L" 0402_R 82.56,64.244 r180 top
R65 "0402WGF4701TCE" 0402_R 74.857,62.666 r90 bottom
R66 "NC/0402WGF4701TCE" 0402_R 75.438,60.452 r90 bottom
R67 "0402WGF4701TCE" 0402_R 76.127,62.666 r90 bottom
R68 "0402WGF4701TCE" 0402_R 81.29,63.565 r90 bottom
R69 "NC/0402WGF4701TCE" 0402_R 82.306,65.895 r90 bottom
R70 "0402WGF4701TCE" 0402_R 78.896,62.676 r90 bottom
R71 "NC/0402WGF4701TCE" 0402_R 72.19,76.309 r180 top
R72 "0402WGF4701TCE" 0402_R 74.305,74.404 r270 top
R73 "0402WGF4701TCE" 0402_R 72.19,66.857 r0 top
R74 "0402WGF4701TCE" 0402_R 72.19,68.254 r0 top
R75 "NC/0402WGF4701TCE" 0402_R 69.65,71.048 r180 top
R76 "0402WGF4701TCE" 0402_R 72.19,69.651 r180 top
R77 "0402WGF0000TCE" 0402_R 73.841,67.619 r0 bottom
R78 "0402WGF4701TCE" 0402_R 72.19,71.048 r0 top
R79 "NC/0402WGF4701TCE" 0402_R 72.195,72.428 r180 top
R80 "NC/0402WGF4701TCE" 0402_R 72.19,74.918 r180 top
R81 "0402WGF4701TCE" 0402_R 72.19,73.673 r180 top
R82 "0402WGF0000TCE" 0402_R 73.841,64.825 r0 bottom
R83 "NC/0402WGF4701TCE" 0402_R 79.429,72.953 r90 bottom
R84 "0402WGF1801TCE" 0402_R 77.651,74.35 r270 top
R85 "0402WGF0000TCE" 0402_R 79.302,74.35 r270 top
R86 "0402WGF220JTCE" 0402_R 69.65,72.445 r180 top
R87 "0402WGF220JTCE" 0402_R 69.65,73.673 r180 top
R88 "0402WGF220JTCE" 0402_R 69.65,74.918 r180 top
R89 "0402WGF220JTCE" 0402_R 69.647,76.302 r180 top
R90 "0402WGF220JTCE" 0402_R 69.629,66.857 r180 top
R91 "0402WGF220JTCE" 0402_R 69.65,69.651 r180 top
R92 "0402WGF220JTCE" 0402_R 71.374,17.272 r270 bottom
R93 "0402WGF220JTCE" 0402_R 71.374,20.259 r270 bottom
R94 "0402WGF220JTCE" 0402_R 72.813,20.259 r270 bottom
R95 "0402WGF220JTCE" 0402_R 79.925,20.259 r270 bottom
R96 "0402WGF220JTCE" 0402_R 81.322,20.259 r270 bottom
R97 "0402WGF220JTCE" 0402_R 82.846,20.259 r270 bottom
R98 "0402WGF1000TCE" 0402_R 84.243,20.259 r270 bottom
R99 "RC-02W33R0FT" 0402_R 9.789,42.146 r180 top
R100 "RC-02W33R0FT" 0402_R 12.837,42.146 r180 top
R101 "RC-02W33R0FT" 0402_R 14.744,45.575 r180 bottom
R102 "RC-02W33R0FT" 0402_R 14.744,44.178 r180 bottom
R103 "RC-02W33R0FT" 0402_R 12.585,47.099 r180 bottom
R104 "0402WGF4701TCE" 0402_R 12.585,48.496 r0 bottom
R105 "RC-02W33R0FT" 0402_R 14.744,47.099 r180 bottom
R106 "RC-02W33R0FT" 0402_R 14.744,48.496 r180 bottom
R107 "RC-02W33R0FT" 0402_R 14.744,49.893 r180 bottom
R108 "0402WGF4701TCE" 0402_R 12.585,49.893 r0 bottom
R109 "0402WGF4701TCE" 0402_R 12.585,45.575 r0 bottom
R110 "0402WGF4701TCE" 0402_R 12.585,44.178 r0 bottom
R111 "0402WGF220JTCE" 0402_R 59.192,23.858 r0 bottom
R112 "0402WGF220JTCE" 0402_R 58.92,21.91 r270 bottom
R113 "0402WGF220JTCE" 0402_R 61.46,21.91 r270 bottom
R114 "0402WGF2001TCE" 0402_R 39.741,39.225 r0 bottom
R115 "NC/0402WGF2001TCE" 0402_R 43.17,42.654 r0 bottom
R116 "NC/0402WGF2001TCE" 0402_R 43.17,40.876 r0 bottom
R117 "0402WGF0000TCE" 0402_R 35.57,32.367 r90 bottom
R118 "0402WGF220JTCE" 0402_R 43.17,39.225 r0 bottom
R119 "0402WGF220JTCE" 0402_R 34.173,32.367 r90 bottom
R120 "0402WGF220JTCE" 0402_R 32.776,32.367 r90 bottom
R121 "AC0402FR-07470RL" 0402_R 29.11,23.569 r180 top
R122 "0402WGF0000TCE" 0402_R 30.744,32.367 r90 bottom
R123 "0402WGF1001TCE" 0402_R 36.967,32.367 r90 bottom
R124 "0402WGF4701TCE" 0402_R 24.257,38.735 r90 top
R125 "AC0402FR-071K2L" 0402_R 38.364,32.367 r270 bottom
R126 "0402WGF1003TCE" 0402_R 89.916,18.034 r90 bottom
R127 "NC/0402WGF0000TCE" 0402_R 62.73,21.91 r90 bottom
R128 "0402WGF4701TCE" 0402_R 60.19,21.91 r90 bottom
R129 "0402WGF1003TCE" 0402_R 64.254,21.961 r90 bottom
R130 "0402WGF1373TCE" 0402_R 34.052,37.869 r270 bottom
R131 "0402WGF1002TCE" 0402_R 31.258,37.869 r270 bottom
R132 "NQ02WGF3002TCE" 0402_R 35.449,37.869 r90 bottom
R133 "0402WGF4701TCE" 0402_R 65.651,21.961 r270 bottom
R134 "0402WGF1002TCE" 0402_R 44.958,47.244 r270 bottom
R135 "0402WGF1002TCE" 0402_R 55.128,51.925 r90 bottom